# Altium PCB 11BRANMB10H_20170919.pcbdoc (part 6 of 7) (continued)
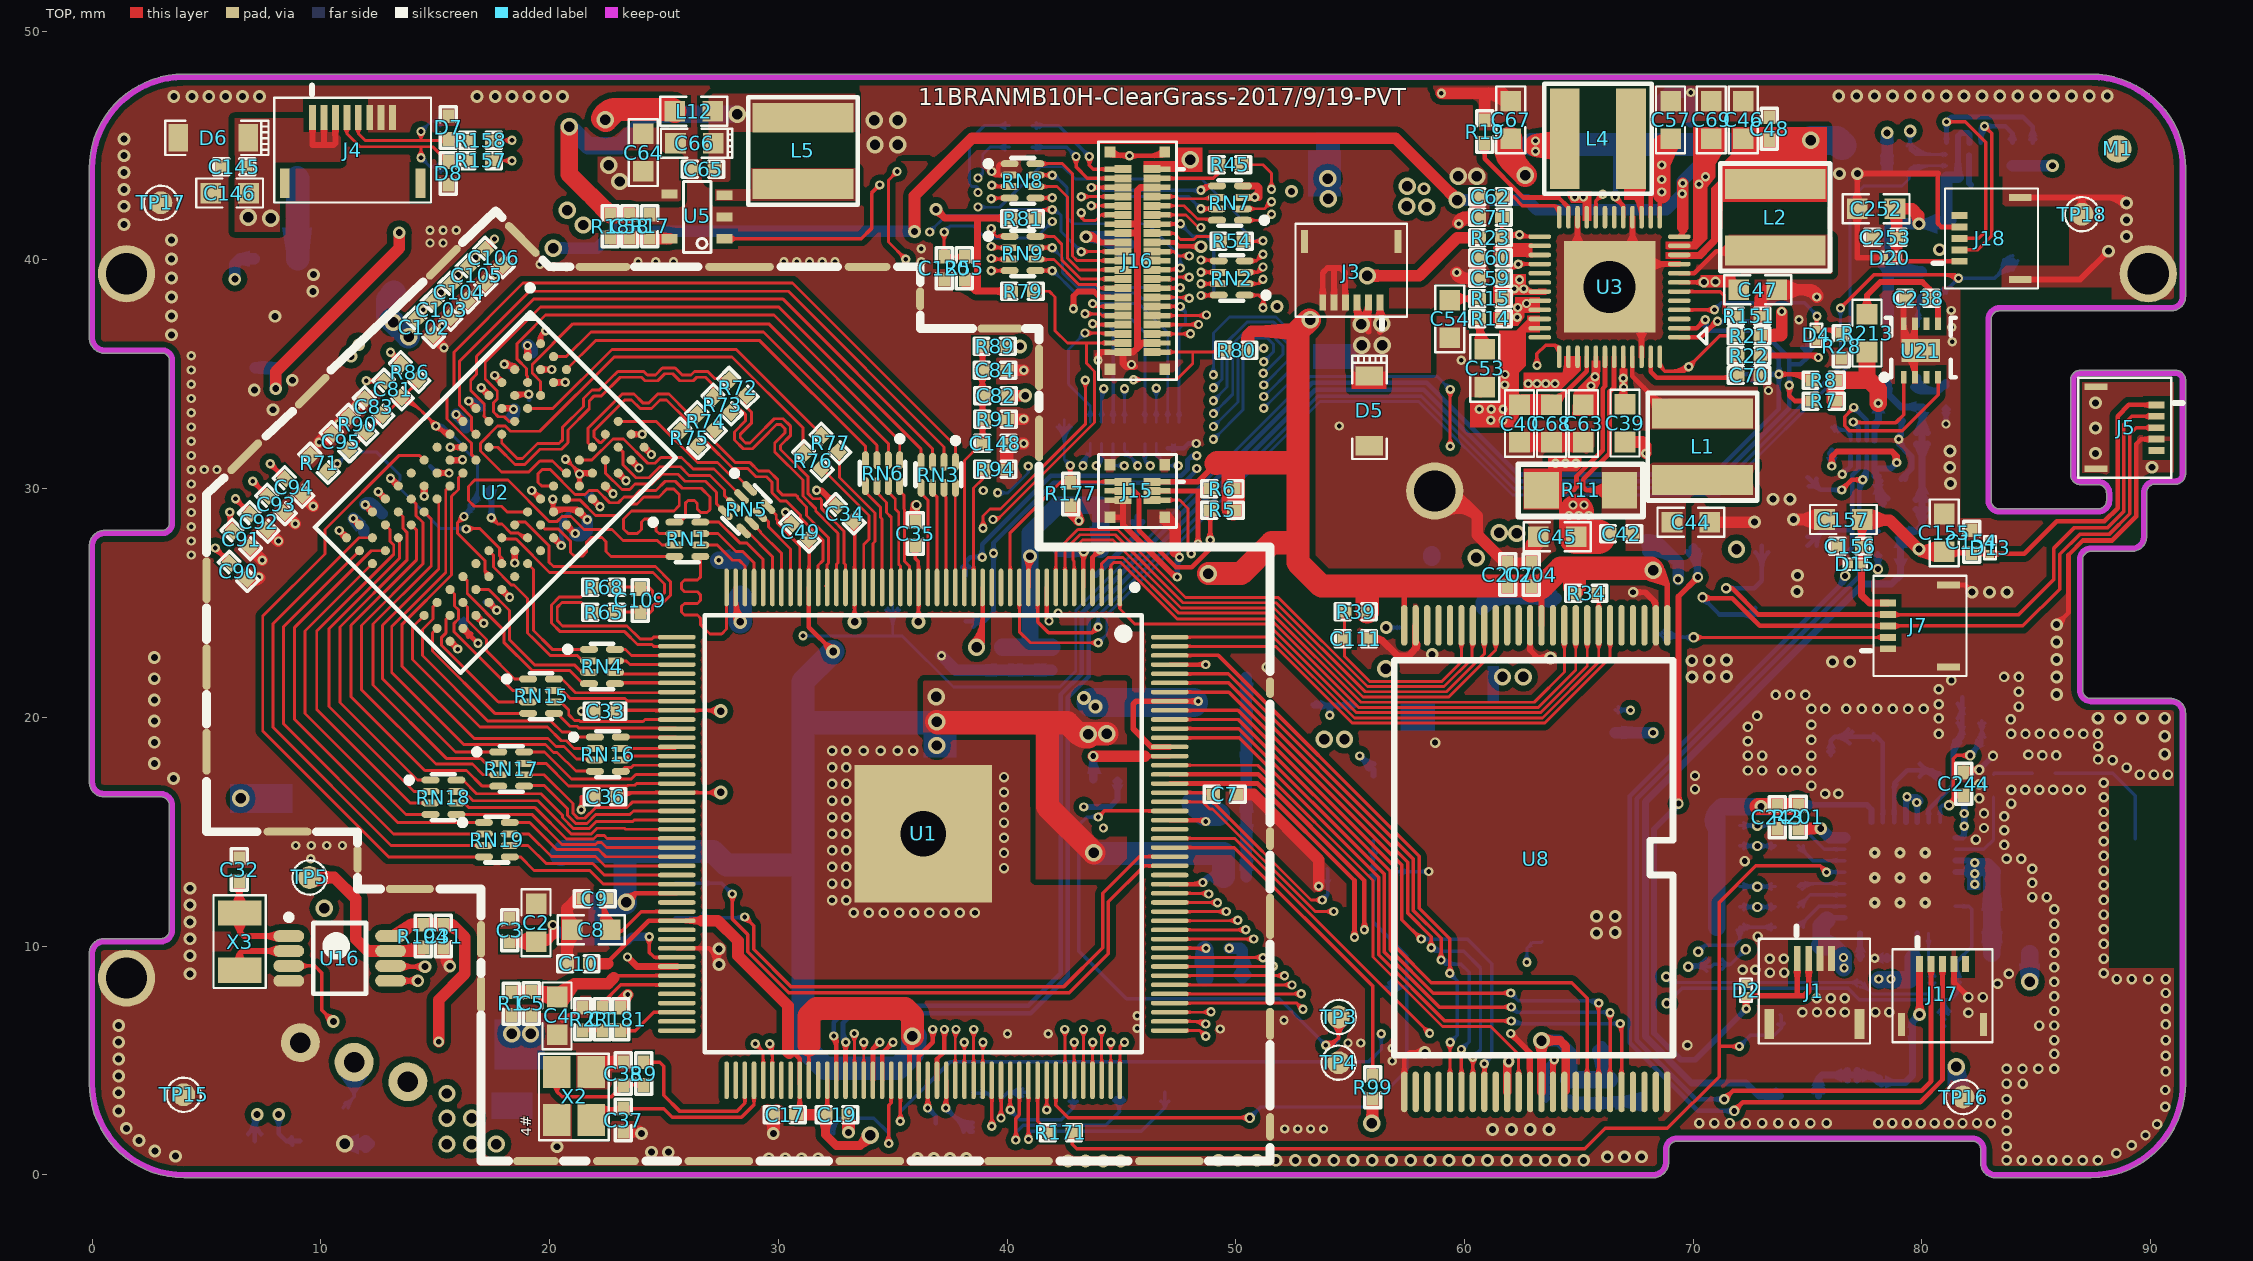
[diagram p0: TOP view]
## Nets (pads, with @x,y where several pads share a name; then routed paths per layer and width w, separated by ;. In a path a pad name is that pad's centre, name@x,y a point inside that pad or via, vN(x,y) a via of type N, cw(c..) or ccw(c..) an arc to the next point about the centre after c; other vN are vias at no path point) (continued)
  TOP w0.203: U1.161@47.11,17.508 50.984,17.508 55.624,12.868 v1(55.624,10.715) ; v1@55.552,10.786 ccw(c55.379,10.96) 55.624,10.96 ccw(c55.869,10.96) v1@55.696,10.786 ; v2(70.407,25.243) 70.445,25.205 71.712,25.205 72.917,24 J7.3@78.52,24 ; v2@70.497,25.333 ccw(c70.806,25.642) 70.806,25.205
  Singal w0.203: v1(55.624,10.715) 56.436,10.715 57.528,11.807 60.4,11.807 65.759,17.165 65.759,21.448 68.822,24.511 69.675,24.511 v2(70.407,25.243) 70.729,25.565 70.729,29.315 73.947,32.533 76.005,32.533 v1(77.025,33.553) 77.355,33.884 77.355,42.316 v1(81.076,46.037) ; v1@55.696,10.643 cw(c55.869,10.469) 55.869,10.715 cw(c55.869,10.96) v1@55.696,10.786 ; v2@70.28,25.243 cw(c69.973,25.243) 70.19,25.027 cw(c70.407,24.81) v2@70.407,25.116 ; v2@70.407,25.37 ccw(c70.407,25.677) 70.624,25.46 ccw(c70.841,25.243) v2@70.534,25.243 ; v1@76.923,33.553 cw(c76.678,33.553) 76.852,33.38 cw(c77.025,33.207) v1@77.025,33.452 ; v1@77.025,33.655 ccw(c77.025,33.9) 77.198,33.727 ccw(c77.372,33.553) v1@77.127,33.553 ; v1@80.974,46.037 cw(c80.729,46.037) 80.903,45.864 cw(c81.076,45.69) v1@81.076,45.936
  BOTTOM w0.203: v2@70.407,25.116 cw(c70.407,24.81) 70.624,25.027 cw(c70.841,25.243) v2@70.534,25.243 ; v2(70.407,25.243) 71.15,24.5 TP35.1@73,24.5 ; TP35.1@72.718,24.218 ccw(c72.038,23.538) 72.038,24.5 ccw(c72.038,25.462) TP35.1@72.718,24.782 ; v1@77.025,33.452 cw(c77.025,33.207) 77.198,33.38 cw(c77.372,33.553) v1@77.127,33.553 ; v1(77.025,33.553) 77.581,32.997 U20.7@77.581,32.11 ; v1@81.004,45.965 cw(c80.831,45.792) 81.076,45.792 cw(c81.321,45.792) v1@81.148,45.965 ; U10.1@81.076,45.119 v1(81.076,46.037) 81.292,46.253 84.417,46.253 84.849,45.822 R4.2@84.849,45.123 ; v1@81.076,46.139 ccw(c81.076,46.384) 81.249,46.211 ccw(c81.423,46.037) v1@81.178,46.037 ; R4.2@84.744,45.278 ccw(c84.49,45.532) 84.849,45.532 ccw(c85.207,45.532) R4.2@84.954,45.278
TWI2-SDA: J5.2 J7.4 J18.2 R3.2 TP36.1 U1.160 U10.4 U20.6 U21.1 | length 125.6
  TOP w0.152: v1(77,32.918) 77.025,32.893 78.866,32.893 79.202,33.23 U21.1@79.202,34.866 ; v1@77.089,32.829 cw(c77.245,32.673) 77.245,32.893 ; v1@77.089,33.008 ccw(c77.368,33.286) 77.368,32.893 ; J7.4@78.52,24.5 78.535,24.486 84.225,24.486 85.774,26.035 85.774,27.407 86.65,28.282 88.111,28.282 88.836,29.007 88.836,32.817 89.184,33.164 J5.2@90.263,33.164 ; J7.4@78.773,24.552 ccw(c78.934,24.713) 78.934,24.486 ; J18.2@81.648,40.442 82.442,40.442 83.054,41.054 83.054,45.533 v1(82.74,45.847) ; J18.2@81.9,40.39 cw(c82.026,40.264) 82.026,40.442 cw(c82.026,40.62) J18.2@81.9,40.494 ; v1@82.74,45.72 cw(c82.74,45.413) 82.957,45.63 cw(c83.174,45.847) v1@82.867,45.847 ; J5.2@90.01,33.112 ccw(c89.884,32.986) 89.884,33.164 ccw(c89.884,33.343) J5.2@90.01,33.217
  TOP w0.203: U1.160@47.11,17.108 50.953,17.108 55.192,12.869 v1(55.192,10.384) ; v1@55.121,10.456 ccw(c54.947,10.63) 55.192,10.63 ccw(c55.438,10.63) v1@55.264,10.456 ; v2(71.437,25.65) 71.699,25.65 ; v2@71.537,25.571 cw(c71.699,25.444) 71.699,25.65 ; v2@71.537,25.728 ccw(c71.699,25.856) 71.699,25.65 ; J7.4@78.52,24.5 72.848,24.5 71.699,25.65
  Singal w0.127: 60.529,11.45 66.089,17.01 66.089,17.533
  Singal w0.203: v1(55.192,10.384) 55.269,10.308 56.461,10.308 57.641,11.488 60.513,11.488 66.064,17.039 66.064,21.322 68.948,24.206 69.98,24.206 70.472,24.698 ; v1@55.264,10.456 ccw(c55.622,10.814) 55.622,10.308 ; 70.783,25.009 70.472,24.698 ; v2@71.348,25.56 ccw(c71.131,25.343) 71.131,25.65 ccw(c71.131,25.956) v2@71.348,25.739 ; v2(71.437,25.65) 71.034,25.65 ; v1@76.898,32.918 cw(c76.653,32.918) 76.826,32.745 cw(c77,32.572) v1@77,32.817 ; v1@77,33.02 ccw(c77,33.265) 77.173,33.092 ccw(c77.346,32.918) v1@77.101,32.918 ; v1@82.668,45.775 ccw(c82.495,45.602) 82.495,45.847 ccw(c82.495,46.092) v1@82.668,45.919 ; v1(82.74,45.847) 81.546,45.847 81.229,45.529 80.999,45.529 77.66,42.19 77.66,33.579 v1(77,32.918) 76.309,32.228 74.074,32.228 71.034,29.188 71.034,25.65 ; 70.472,24.698 70.472,24.685 71.034,25.246 71.034,25.65
  BOTTOM w0.203: v2(71.437,25.65) 72.677,25.65 73,25.972 TP36.1@73,27.5 ; v2@71.527,25.56 cw(c71.744,25.343) 71.744,25.65 cw(c71.744,25.956) v2@71.527,25.739 ; TP36.1@72.718,27.218 cw(c72.038,26.538) 73,26.538 cw(c73.962,26.538) TP36.1@73.282,27.218 ; v1@77,32.817 cw(c77,32.572) 77.173,32.745 cw(c77.346,32.918) v1@77.101,32.918 ; v1(77,32.918) 77.231,32.687 U20.6@77.231,32.11 ; U10.4@82.576,45.119 82.576,45.695 82.728,45.847 v1(82.74,45.847) 83.654,45.847 83.96,45.542 R3.2@83.96,45.123 ; U10.4@82.576,45.206 cw(c83.381,45.206) 82.812,45.775 cw(c82.985,45.602) 82.985,45.847 cw(c82.985,46.092) v1@82.812,45.919 ; 82.576,45.696 cw(c82.891,45.696) v1@82.668,45.919 ; R3.2@83.855,45.278 ccw(c83.601,45.532) 83.96,45.532 ccw(c84.318,45.532) R3.2@84.065,45.278
UART0_RX: TP55.1 U1.112 | length 43.6
  TOP w0.203: U1.112@36.935,4.133 36.935,5.064 37.26,5.389 v1(37.26,6.358) ; v1@37.188,6.286 cw(c37.015,6.113) 37.26,6.113 cw(c37.505,6.113) v1@37.332,6.286
  Singal w0.203: v3@7.976,2.641 ccw(c7.546,2.641) 7.85,2.945 ccw(c8.153,3.248) v3@8.153,2.819 ; v3(8.153,2.641) 7.518,3.276 7.518,6.406 8.334,7.221 15.134,7.221 18.169,4.187 35.558,4.187 37.26,5.889 v1(37.26,6.358) ; v1@37.188,6.286 cw(c37.015,6.113) 37.26,6.113 cw(c37.505,6.113) v1@37.332,6.286
  BOTTOM w0.203: v3@8.028,2.516 cw(c7.724,2.212) 8.153,2.212 cw(c8.583,2.212) v3@8.279,2.516 ; v3(8.153,2.641) 8.153,1.803 8.479,1.477 ; TP55.1@8.73,1.647 cw(c8.479,1.747) 8.479,1.477 ; TP55.1@8.747,1.315 ccw(c8.479,1.175) 8.479,1.477 ; TP55.1@9.1,1.477 8.479,1.477
UART0_TX: TP54.1 U1.110 | length 44.4
  TOP w0.203: U1.110@36.135,4.133 36.135,5.182 36.752,5.799 v1(36.752,6.358) ; v1@36.68,6.286 cw(c36.507,6.113) 36.752,6.113 cw(c36.997,6.113) v1@36.824,6.286
  Singal w0.203: v3@7.088,2.767 ccw(c6.784,3.071) 7.214,3.071 ccw(c7.643,3.071) v3@7.339,2.767 ; v3(7.214,2.641) 7.214,6.532 8.208,7.526 15.26,7.526 18.295,4.491 35.432,4.491 36.752,5.812 v1(36.752,6.358) ; v1@36.68,6.286 cw(c36.507,6.113) 36.752,6.113 cw(c36.997,6.113) v1@36.824,6.286
  BOTTOM w0.203: TP54.1@6.818,1.782 ccw(c6.138,2.462) 7.1,2.462 ccw(c8.062,2.462) TP54.1@7.382,1.782 ; 7.002,2.096 cw(c7.625,1.929) v3@7.302,2.487 ; v3@7.06,2.553 cw(c6.875,2.446) 7.081,2.391 ; TP54.1@7.1,1.477 TP54.1@7.1,1.5 7.1,2.528 v3(7.214,2.641) ; TP54.1@7.1,1.938 cw(c7.917,1.938) v3@7.339,2.516 ; 7.159,2.242 cw(c7.348,2.293) v3@7.278,2.475
UBOOT: TP3.1 TP57.1 U1.157 | length 32.9
  TOP w0.152: v1(43.991,15.642) 44.257,15.908 U1.157@47.11,15.908 ; v1@43.991,15.769 ccw(c43.991,16.076) 44.208,15.859 ccw(c44.425,15.642) v1@44.118,15.642 ; v1@53.934,5.639 ccw(c53.976,6.056) 54.273,5.76 ; v1@53.949,5.791 ccw(c54.019,6.468) 54.5,5.986 ; 54.169,5.655 54.5,5.986 ; TP3.1@54.226,6.576 cw(c53.727,5.987) 54.5,5.987 cw(c55.273,5.987) TP3.1@54.774,6.576 ; TP3.1@54.325,6.693 cw(c54.005,6.315) 54.5,6.315 cw(c54.995,6.315) TP3.1@54.675,6.693 ; TP3.1@54.5,6.9 54.5,5.986
  BOTTOM w0.152: v1@43.901,15.552 ccw(c43.684,15.335) 43.684,15.642 ccw(c43.684,15.949) v1@43.901,15.732 ; v1(43.991,15.642) 43.483,15.642 43.137,15.296 43.137,9.784 45.224,7.696 51.904,7.696 v1(53.936,5.664) 54.255,5.664 54.5,5.91 ; v1@53.809,5.664 ccw(c53.503,5.664) 53.72,5.881 ccw(c53.936,6.098) v1@53.936,5.791 ; v1@54.026,5.574 cw(c54.243,5.358) 54.243,5.664 cw(c54.243,5.971) v1@54.026,5.754 ; TP57.1@54.207,6.593 cw(c53.555,5.91) 54.5,5.91 ; TP57.1@54.313,6.704 cw(c53.895,6.266) 54.5,6.266 cw(c55.105,6.266) TP57.1@54.687,6.704 ; TP57.1@54.5,6.877 54.5,5.91 ; TP57.1@54.793,6.593 ccw(c55.445,5.91) 54.5,5.91
USB0-DM: R157.2 U1.93 | length 51.9
  TOP w0.127: R157.2@17.48,44.342 v1(18.351,44.342) ; R157.2@17.662,44.21 cw(c17.98,43.892) 17.98,44.342 cw(c17.98,44.792) R157.2@17.662,44.474 ; v1@18.253,44.243 ccw(c18.014,44.005) 18.014,44.342 ccw(c18.014,44.679) v1@18.253,44.441 ; v1@28.989,5.596 cw(c28.989,5.259) 29.227,5.498 cw(c29.466,5.736) v1@29.129,5.736 ; v1(28.989,5.736) 29.335,5.39 U1.93@29.335,4.133
  Singal w0.127: v1(18.351,44.342) 18.758,44.748 23.304,44.748 26.17,41.883 26.17,24.202 28.989,21.382 v1(28.989,5.736) ; v1@18.351,44.482 ccw(c18.351,44.819) 18.59,44.58 ccw(c18.828,44.342) v1@18.491,44.342 ; v1@28.89,5.835 ccw(c28.652,6.073) 28.989,6.073 ccw(c29.326,6.073) v1@29.088,5.835
USB0-DP: R158.2 U1.94 | length 52.7
  TOP w0.127: R158.2@17.48,45.231 v1(18.351,45.231) ; R158.2@17.662,45.099 cw(c17.98,44.781) 17.98,45.231 cw(c17.98,45.681) R158.2@17.662,45.363 ; v1@18.253,45.132 ccw(c18.014,44.894) 18.014,45.231 ccw(c18.014,45.568) v1@18.253,45.33 ; v1@29.525,5.637 cw(c29.018,5.13) 29.735,5.13 ; v1@29.615,5.727 cw(c29.325,5.437) 29.735,5.437 ; v1(29.624,5.736) 29.735,5.625 U1.94@29.735,4.133
  Singal w0.127: v1@18.351,45.091 cw(c18.351,44.754) 18.59,44.992 cw(c18.828,45.231) v1@18.491,45.231 ; v1(18.351,45.231) 18.605,44.977 23.431,44.977 26.398,42.01 26.398,24.296 29.218,21.477 29.218,6.142 v1(29.624,5.736) ; v1@29.484,5.736 ccw(c29.147,5.736) 29.386,5.974 ccw(c29.624,6.213) v1@29.624,5.876
USB0-IDET: R99.1 U1.153 | length 16
  TOP w0.152: U1.153@47.11,14.308 49.941,14.308 55.98,8.269 R99.1@55.98,4.331 ; R99.1@55.857,4.504 ccw(c55.56,4.801) 55.98,4.801 ccw(c56.399,4.801) R99.1@56.103,4.504
USBVBUS: C145.2 C146.2 D6.1 J4.1 J4.2 J4.3 R15.1 TP33.1 U3.31 | length 61.9
  TOP w0.203: R15.1@61.636,38.311 62.119,38.794 62.144,38.819 v1@62.179,38.819 ; R15.1@61.686,38.459 ccw(c61.686,38.697) R15.1@61.854,38.529 ; R15.1@61.802,38.477 cw(c62.179,38.1) v1@62.179,38.633 ; R15.1@61.834,38.311 cw(c62.313,38.311) 61.975,38.65 ; v1@62.273,38.695 cw(c62.46,38.616) v1@62.46,38.819 ; v1@62.509,38.668 ccw(c62.179,38.383) v1@62.179,38.819 ; v1@62.657,38.807 ccw(c63.11,39.26) U3.31@63.11,38.619 ; U3.31@63.293,38.619 62.632,38.619 62.551,38.7 62.46,38.791 v1@62.46,38.819 ; v1@62.179,38.819 v1@62.46,38.819
  TOP w0.254: J4.1@9.632,46.23 9.632,45.02 10.546,45.02 10.632,45.106 J4.3@10.632,46.23 ; 10.132,45.063 J4.2@10.132,46.23
  Singal w1.524: v4@7.048,41.954 7.81,41.954 8.648,41.954 9.969,43.275 20.085,43.275 20.978,42.382 v4@21.577,41.783
  POWER w1.524: v4@20.84,42.139 21.462,41.516 21.736,41.243 34.296,41.243 38.671,45.618 52.819,45.618 54.038,44.399 54.038,43.561 v4(54.038,42.672)
  other v1: 62.179,38.735 62.586,38.735 62.408,39.141
  other v4: 21.475,41.529 7.81,41.829 6.831,41.867 20.774,42.178 54.025,43.561
VCC-5V: C158.2 C159.1 C226.1 C228.1 D14.1 J6.1 R189.2 TP34.1 U15.5 | length 44.3
  POWER w1.016: v4(18.351,6.172) 18.376,6.147 v4@19.164,6.147 ; v4(19.164,6.172) 19.811,6.82 26.746,6.82 30.34,10.414 40.885,10.414 42.543,12.072 42.543,16.423 43.591,17.471 45.631,17.471 47.159,18.999 53.864,18.999 54.753,18.999 v4@54.779,18.999
  other v4: 53.864,19.05 54.753,19.05
VCC-WIFI-3V3: C174.1 C175.1 C176.1 C243.2 C246.1 C247.1 C250.1 R176.2 R179.1 R200.1 R201.1 R204.2 R205.2 R206.2 R207.2 R208.2 U7.1 U7.3 U7.4 U7.11 U7.17 U7.29 U7.30 | length 38.1
  TOP w0.762: v3@72.847,16.103 72.96,16.103 73.67,16.103 74.544,16.103 R201.1@74.587,16.146 R201.1@74.553,16.18
  BOTTOM w0.254: 75.831,11.125 75.943,11.237 U7.17@76.618,11.237 ; U7.29@79.293,15.412 79.311,15.431 79.311,16.529 v1@79.348,16.529 ; 79.311,16.259 cw(c79.62,16.259) v1@79.402,16.477 ; v1@79.37,16.458 cw(c79.493,16.052) v1@79.793,16.352 ; C246.1@79.446,9.433 79.405,9.474 79.508,9.578 79.793,9.863 ; 79.682,16.529 cw(c79.682,16.25) v1@79.951,16.325 ; v1@79.704,16.284 ccw(c79.401,16.314) 79.616,16.529 ; v1@79.706,16.257 ccw(c79.348,16.157) v1@79.348,16.529 ; v1@79.726,16.223 cw(c79.563,16.061) 79.793,16.061 ; C246.1@79.763,9.544 cw(c79.97,9.685) 79.793,9.863 ; U7.11@79.793,10.562 79.793,9.863 ; U7.30@79.793,15.412 79.793,16.277 v1@79.793,16.352 ; U7.4@81.468,13.237 82.083,13.237 ; U7.3@81.468,13.737 82.033,13.737 ; U7.1@81.468,14.737 81.729,14.737 81.855,14.863 81.851,14.867 ; U7.1@81.743,14.735 ccw(c81.716,14.867) 81.851,14.867 ; U7.1@81.744,14.736 ccw(c81.487,14.993) 81.851,14.993 ; C175.1@81.764,16.483 cw(c81.554,16.273) 81.851,16.273 cw(c82.148,16.273) C175.1@81.938,16.483 ; C175.1@81.851,16.62 81.851,15.799 81.851,15.24 81.851,14.867 ; 81.893,13.737 cw(c81.893,13.22) v1@82.259,13.586 ; 81.965,13.237 cw(c81.965,12.823) v1@82.259,13.116 ; v1@82.239,13.618 cw(c81.951,13.531) 82.164,13.318 ; v1@82.244,13.137 ccw(c82.083,13.059) 82.083,13.237 ; v1@82.244,13.606 ccw(c82.033,13.502) 82.033,13.737 ; v1@82.25,13.214 ccw(c82.037,13.364) v1@82.222,13.549 ; v1@82.274,13.706 cw(c82.174,13.878) 82.033,13.737 ; 82.435,13.336 cw(c82.287,13.188) v1@82.458,13.067 ; v1@79.348,16.529 79.616,16.529 ; 79.616,16.529 v1@79.793,16.352 ; 82.033,13.737 v1@82.221,13.549 ; 82.083,13.237 82.164,13.318 ; 82.164,13.318 82.308,13.462 v1@82.221,13.549
  BOTTOM w0.762: R205.2@70.958,15.258 cw(c71.964,15.376) 71.248,16.092 ; R205.2@70.982,15.197 cw(c71.415,15.507) 71.038,15.883 ; R208.2@71.038,10.828 R207.2@71.038,11.717 R179.1@71.039,12.606 R206.2@71.038,14.384 R205.2@71.038,15.273 71.038,15.883 ; R204.2@73.72,16.159 73.653,16.092 72.96,16.092 71.248,16.092 ; C250.1@75.529,10.033 cw(c75.799,9.633) 76.14,9.974 ; C250.1@75.603,10.055 cw(c75.603,8.953) 76.382,9.732 ; 75.831,11.125 75.603,10.897 C250.1@75.603,9.974 76.14,9.974 ; v1@76.572,9.042 v1(76.572,9.499) 76.572,9.543 76.14,9.974 ; v1@78.143,8.534 78.651,8.534 R200.1@79.446,8.534 79.612,8.7 C246.1@79.612,9.474 ; v1@82.187,13.295 cw(c82.589,12.893) 82.589,13.462 ; v1@82.308,13.462 82.312,13.462 82.842,13.462 83.057,13.246 83.057,13.132 83.057,12.243 C174.1@83.057,11.1 R176.2@83.057,9.677 ; 82.496,13.462 cw(c82.496,12.651) C176.1@83.07,13.224 ; 71.038,15.883 71.248,16.092
  other v1: 78.117,8.56 78.651,8.56 76.597,9.042 82.312,12.7 82.312,13.17 82.312,13.64 81.855,15.24 81.855,15.799 79.78,16.277 79.348,16.531
  other v3: 72.96,16.111
VCCA: C242.1 R195.1 R209.2 U20.1 | length 11
  TOP w0.254: v1(76.06,30.988) 76.06,31.394 76.288,31.623 78.701,31.623 ; v1@78.831,31.159 ccw(c78.355,31.276) 78.701,31.623 ; v1(78.905,31.14) 78.905,31.42 78.701,31.623
  BOTTOM w0.254: R209.2@75.973,31.545 cw(c75.763,31.335) 76.06,31.335 cw(c76.357,31.335) R209.2@76.147,31.545 ; v1(76.06,30.988) R209.2@76.06,31.682 ; U20.1@77.931,31.44 77.931,30.886 ; 78.079,29.903 ccw(c78.747,29.903) R195.1@78.349,29.367 ; 78.079,30.082 cw(c78.447,30.082) C242.1@78.187,30.342 ; C242.1@78.119,30.531 cw(c78.361,30.886) 77.931,30.886 ; R195.1@78.308,29.312 78.079,29.54 C242.1@78.079,30.408 ; R195.1@78.5,29.571 cw(c79.122,30.408) C242.1@78.079,30.408 ; v1(78.905,31.14) 78.651,30.886 77.931,30.886 ; 77.931,30.886 77.931,30.557 C242.1@78.079,30.408
VINT: C60.1 U3.26 U3.27 | length 3.9
  TOP w0.152: C60.1@61.636,40.089 61.766,40.219 62.279,40.219 ; C60.1@61.703,40.076 cw(c61.982,39.876) 61.982,40.219 ; C60.1@61.827,39.987 cw(c62.279,39.662) 62.279,40.219 ; U3.27@63.293,40.219 62.279,40.219 ; U3.26@63.293,40.619 62.428,40.619 62.279,40.47 62.279,40.219
VLED+: C116.2 D12.1 J16.18 TP25.1 | length 40.6
  TOP w0.254: v3@43.405,41.107 cw(c43.553,40.775) 43.81,41.032 ; v3(43.447,41.014) 43.828,41.014 44.072,40.77 ; v3@43.508,40.875 cw(c43.714,40.412) 44.072,40.77 ; v3@43.554,40.907 cw(c43.815,40.646) 43.815,41.014 cw(c43.815,41.382) v3@43.554,41.122 ; J16.18@45.065,40.77 J16.18@44.475,40.77 44.072,40.77
  Singal w0.508: v3(51.803,37.966) 51.829,37.941 51.829,36.121 52.959,34.99 52.959,24.663 55.499,22.123 v4(56.553,22.123)
  POWER w0.508: v3(43.447,41.014) 44.005,41.014 44.742,40.278 44.742,37.23 45.885,36.087 48.349,36.087 48.958,36.696 51.321,36.696 51.803,37.179 v3(51.803,37.966)
  BOTTOM w0.508: 44.603,41.014 cw(c44.603,40.012) TP25.1@45.341,40.69 ; TP25.1@44.902,40.513 ccw(c44.308,40.513) 44.728,40.933 ccw(c45.148,41.353) TP25.1@45.148,40.759 ; TP25.1@44.967,40.347 ccw(c43.447,38.95) v3(43.447,41.014) 44.647,41.014 TP25.1@45.148,40.513
VLED-: J16.17 R50.2 TP27.1 U9.1 | length 37.5
  TOP w0.203: J16.17@46.335,40.77 J16.17@46.925,40.77 47.33,40.77 47.505,40.595 48.463,40.595 v3(48.476,40.583) ; 48.016,40.595 cw(c48.016,40.123) v3@48.35,40.457 ; 48.077,40.595 ccw(c48.077,40.981) v3@48.35,40.708
  Singal w0.508: v3(52.438,43.002) 52.438,36.373 55.512,33.299 59.372,33.299 60.515,32.156 v4(60.515,26.975) v4@60.515,26.924
  POWER w0.508: v3(48.476,40.583) 49.136,41.243 49.136,42.672 50.221,43.758 51.822,43.758 52.438,43.142 v3(52.438,43.002) ; 52.295,43.285 cw(c52.013,43.002) v3@52.412,43.002
  BOTTOM w0.508: 60.769,25.121 60.848,25.2 ; R50.2@60.791,24.703 cw(c61.133,24.915) 60.848,25.2 ; R50.2@60.792,24.708 cw(c61.979,23.521) 61.979,25.2 ; TP27.1@63.826,25.026 ccw(c63.406,24.606) 63.406,25.2 ccw(c63.406,25.794) TP27.1@63.826,25.374 ; TP27.1@64,25.2 60.848,25.2
VOC_1V8: C236.1 R195.2 R196.1 R197.1 R198.2 TP46.1 U19.5 | length 50.5
  BOTTOM w0.305: R198.2@73.615,3.244 ccw(c73.107,2.736) 73.107,3.454 ccw(c73.107,4.173) R198.2@73.615,3.665 ; R198.2@73.825,3.454 72.873,3.454 72.314,4.013 69.933,4.013 67.906,6.04 67.906,16.312 77.426,25.832 78.676,25.832 79.074,26.23 R197.1@79.074,27.178 R196.1@79.074,28.118 ; U19.5@78.534,34.857 78.534,34.127 79.082,33.579 C236.1@80.056,33.579 80.001,33.524 80.009,33.515 80.009,32.2 80.009,29.312 80.009,28.384 79.768,28.143 R196.1@79.1,28.143 ; R196.1@78.981,28.074 cw(c78.755,27.848) 79.074,27.848 ; R195.2@79.748,29.522 ccw(c79.118,30.153) 80.009,30.153 ; TP46.1@79.754,31.954 cw(c79.138,31.338) 80.009,31.338 ; TP46.1@79.754,32.446 ccw(c79.138,33.062) 80.009,33.062 ; 80.009,29.907 ccw(c80.555,29.907) R195.2@80.169,29.522 ; 80.009,31.384 cw(c80.816,31.384) TP46.1@80.246,31.954 ; 80.009,33.016 ccw(c80.816,33.016) TP46.1@80.246,32.446 ; R195.2@79.748,29.101 cw(c79.118,28.47) 80.009,28.47 ccw(c79.118,28.47) R195.2@79.748,29.101 ; 80.009,28.716 cw(c80.555,28.716) 80.169,29.101 ccw(c80.555,28.716) 80.009,28.716
VOC_SCL: J17.2 R196.2 TP47.1 U20.2 | length 58.3
  TOP w0.203: v2(71.361,3.302) 71.742,3.683 79.997,3.683 80.4,4.086 J17.2@80.4,9.225 ; v2@71.361,3.429 ccw(c71.361,3.736) 71.578,3.519 ccw(c71.794,3.302) v2@71.488,3.302 ; v1(76.496,29.946) 76.939,30.39 v1(77.417,30.39) ; v1@76.496,30.048 ccw(c76.496,30.293) 76.669,30.12 ccw(c76.843,29.946) v1@76.597,29.946 ; v1@77.345,30.318 ccw(c77.172,30.144) 77.172,30.39 ccw(c77.172,30.635) v1@77.345,30.462
  BOTTOM w0.203: v2@71.271,3.212 ccw(c71.054,2.995) 71.054,3.302 ccw(c71.054,3.609) v2@71.271,3.392 ; v2(71.361,3.302) 70.116,3.302 67.525,5.893 67.525,16.434 77.254,26.162 77.254,30.226 v1(77.417,30.39) 77.581,30.553 U20.2@77.581,31.44 ; TP47.1@75,30.5 75.554,29.946 ; TP47.1@75.062,30.106 cw(c75.151,29.543) 75.554,29.946 ; TP47.1@75.394,30.438 ccw(c75.957,30.349) 75.554,29.946 ; v1@76.424,29.875 ccw(c76.251,29.701) 76.251,29.946 ccw(c76.251,30.192) v1@76.424,30.018 ; v1(76.496,29.946) 75.554,29.946 ; 77.254,29.749 cw(c78.058,29.749) 77.489,30.318 ccw(c77.267,30.54) 77.581,30.54 ; 77.254,30.24 cw(c77.567,30.24) 77.345,30.462 ccw(c76.777,31.03) 77.581,31.03 ; 77.279,28.143 R196.2@78.1,28.143 ; R196.2@77.945,28.038 ccw(c77.692,27.785) 77.692,28.143 ccw(c77.692,28.501) R196.2@77.945,28.248
VOC_SDA: J17.3 R197.2 TP48.1 U20.3 | length 60.5
  TOP w0.203: v2(71.793,2.794) 72.174,3.175 79.92,3.175 80.9,4.155 J17.3@80.9,9.225 ; v2@71.793,2.921 ccw(c71.793,3.228) 72.009,3.011 ccw(c72.226,2.794) v2@71.92,2.794
  Singal w0.203: v2(76.644,26.187) 77.778,26.187 v2(78.074,26.484) ; v2@76.734,26.098 cw(c76.951,25.881) 76.951,26.187 cw(c76.951,26.494) v2@76.734,26.277 ; v2@77.947,26.484 cw(c77.641,26.484) 77.858,26.267 cw(c78.074,26.051) v2@78.074,26.357
  BOTTOM w0.203: v2@71.703,2.704 ccw(c71.486,2.487) 71.486,2.794 ccw(c71.486,3.101) v2@71.703,2.884 ; v2@71.767,2.794 70.193,2.794 67.221,5.767 67.221,16.56 76.631,25.971 76.631,26.187 76.631,26.226 v2@76.644,26.238 ; TP48.1@75,27.5 75.694,28.194 76.949,28.194 ; TP48.1@75,27.898 ccw(c75,28.86) 75.68,28.18 ccw(c76.36,27.5) TP48.1@75.398,27.5 ; 76.283,25.622 ccw(c75.718,26.187) v2@76.517,26.187 ; v2@76.554,26.277 ccw(c76.337,26.494) 76.644,26.494 ccw(c76.951,26.494) v2@76.734,26.277 ; v2(76.644,26.187) v2@76.644,26.238 ; U20.3@77.231,31.44 77.231,30.864 76.949,30.582 76.949,28.194 ; R197.2@77.969,27.073 cw(c77.716,26.82) 78.074,26.82 cw(c78.433,26.82) R197.2@78.179,27.073 ; v2@77.985,26.574 ccw(c77.768,26.791) 78.074,26.791 ccw(c78.381,26.791) v2@78.164,26.574 ; v2(78.074,26.484) R197.2@78.074,27.178 ; v2@76.644,26.238 76.644,27.127 76.949,27.432 76.949,28.194
VPS: R32.2 R35.1 U8.38 | length 5.1
  TOP w0.254: U8.38@63.867,3.624 63.867,4.974 v1(63.93,5.037) ; 63.867,4.701 cw(c64.266,4.701) v1@63.984,4.983
  BOTTOM w0.254: R35.1@63.47,3.346 ccw(c63.26,3.556) 63.557,3.556 ccw(c63.854,3.556) R35.1@63.644,3.346 ; R32.2@63.47,4.061 cw(c63.26,3.851) 63.557,3.851 cw(c63.854,3.851) R32.2@63.644,4.061 ; R32.2@63.47,4.235 ccw(c63.26,4.445) 63.557,4.445 ccw(c63.854,4.445) R32.2@63.644,4.235 ; R35.1@63.557,3.259 R32.2@63.557,4.148 63.557,4.664 v1(63.93,5.037)
VRA1: C1.2 U1.83 | length 4.7
  TOP w0.152: C1.2@22.233,7.252 22.233,7.307 22.233,7.424 23.116,8.308 U1.83@25.56,8.308 ; C1.2@22.314,7.357 cw(c22.671,7.357) 22.418,7.61 ; C1.2@22.466,7.357 cw(c23.191,7.357) 22.678,7.87
VRA2: C4.2 C5.2 R1.2 U1.82 | length 9.7
  TOP w0.152: 22.809,8.611 22.906,8.708 U1.82@25.56,8.708
  TOP w0.508: R1.2@18.314,7.986 19.193,7.986 20.324,7.986 C4.2@20.712,7.986 ; C5.2@19.343,7.986 cw(c19.343,6.795) C4.2@20.185,7.637 ; C4.2@20.324,7.776 20.501,7.776 C4.2@20.712,7.986 ; C4.2@20.324,7.972 ccw(c20.324,8.873) 20.961,8.236 ; 22.809,8.611 22.554,8.356 21.082,8.356 C4.2@20.712,7.986
VRP: C2.2 C3.2 U1.80 | length 11.7
  TOP w0.152: v1@24.267,10.315 cw(c24.075,10.123) 24.346,10.123 ; 24.346,10.073 cw(c24.689,10.073) v1@24.447,10.315 ; v1(24.357,10.405) 24.346,10.394 24.346,9.736 24.575,9.508 U1.80@25.56,9.508
  TOP w0.381: C3.2@18.263,10.193 19.406,10.193 19.871,10.193 ; 18.768,10.193 ccw(c18.768,10.836) C2.2@19.222,10.381 ; 18.79,10.193 cw(c18.79,9.583) C2.2@19.222,10.014 ; C2.2@19.553,10.411 ccw(c19.816,10.791) 20.142,10.465 ; C2.2@19.624,10.058 cw(c19.871,9.901) 19.871,10.193 ; C2.2@19.628,10.331 ccw(c19.871,10.475) 19.871,10.193 ; v2(20.142,10.922) 20.142,10.465 ; 19.871,10.193 20.142,10.465
  BOTTOM w0.381: v2(20.142,10.922) 20.839,10.225 23.405,10.225 23.585,10.405 v1(24.357,10.405)
WE: RN17.1 U2.L3 | length 15.3
  TOP w0.127: U2.L3@15.079,29.551 15.152,29.478 15.152,26.49 12.688,24.026 12.688,21.689 15.885,18.492 RN17.1@17.752,18.492
WI-FI_EN: R180.1 TP44.1 TP87.1 U1.107 U7.7 | length 71.8
  TOP w0.152: v1@34.732,1.457 ccw(c34.515,1.674) 34.822,1.674 ccw(c35.128,1.674) v1@34.911,1.457 ; v1(34.822,1.367) 34.822,3.032 34.935,3.145 U1.107@34.935,4.133
  Singal w0.152: v1(34.822,1.367) 37.054,1.367 39.568,3.882 45.843,3.882 46.414,4.453 67.94,4.453 68.846,5.359 v2(68.846,7.493) ; v1@34.911,1.278 cw(c35.128,1.061) 35.128,1.367 cw(c35.128,1.674) v1@34.911,1.457 ; v2@68.738,7.385 cw(c68.478,7.125) 68.846,7.125 cw(c69.214,7.125) v2@68.954,7.385
  BOTTOM w0.152: TP87.1@32,1.777 32.7,2.478 ; TP87.1@32.006,2.049 ccw(c32.02,2.654) 32.448,2.226 ccw(c32.877,1.798) TP87.1@32.271,1.784 ; TP87.1@32.01,2.201 ccw(c32.032,3.146) 32.7,2.478 ; TP87.1@32.424,1.787 cw(c33.369,1.809) 32.7,2.478 ; v1@34.732,1.457 ccw(c34.515,1.674) 34.822,1.674 ccw(c35.128,1.674) v1@34.911,1.457 ; v1@34.822,1.314 v1(34.822,1.367) 34.822,1.83 34.174,2.478 32.7,2.478 ; v2(68.846,7.493) 69.519,8.166 76.758,8.166 77.266,7.658 80.962,7.658 ; v2@68.846,7.645 ccw(c68.846,8.013) 69.106,7.753 ccw(c69.367,7.493) v2@68.999,7.493 ; TP44.1@80.719,7.117 ccw(c80.239,7.658) 80.962,7.658 ; TP44.1@80.82,7.003 ccw(c80.539,7.319) 80.962,7.319 ; 80.962,7.375 ccw(c81.379,7.375) TP44.1@81.149,7.027 ; TP44.1@80.987,6.513 TP44.1@81,6.5 ; TP44.1@81,6.8 80.962,6.838 80.962,7.658 ; TP44.1@81.233,7.154 cw(c81.566,7.658) 80.962,7.658 ; R180.1@81.431,8.412 cw(c81.135,8.115) 81.554,8.115 cw(c81.974,8.115) R180.1@81.677,8.412 ; R180.1@81.431,8.657 ccw(c81.135,8.954) 81.554,8.954 ccw(c81.974,8.954) R180.1@81.677,8.657 ; U7.7@81.468,11.737 82.052,11.737 82.181,11.608 82.181,9.974 81.554,9.347 R180.1@81.554,8.534 81.554,7.958 81.254,7.658 80.962,7.658
WIFI_3V3: C63.2 C69.2 R176.1 TP51.1 U3.11 U3.41 | length 75.6
  TOP w0.203: C63.2@65.2,33.676 65.2,33.993 v1@65.616,34.409 ; C63.2@65.24,34.033 ccw(c64.78,34.493) v1@65.43,34.493 ; C63.2@65.331,33.738 cw(c65.703,33.914) 65.412,34.205 ; v1@65.476,34.409 cw(c65.404,34.301) 65.516,34.236 ; v1@65.508,34.592 ccw(c65.433,34.899) v1@65.749,34.899 ; C63.2@65.515,33.825 cw(c65.98,34.045) v1@65.616,34.409 ; v1@65.556,34.394 ccw(c65.496,34.641) 65.749,34.641 ; v1@65.638,34.828 cw(c65.369,34.559) 65.749,34.559 ; v1@65.638,34.971 ccw(c65.369,35.24) 65.749,35.24 ; U3.41@65.743,35.769 65.749,35.763 v1@65.749,34.899 ; v1@65.616,34.409 65.749,34.542 v1@65.749,34.899
  POWER w0.762: v1(65.71,34.899) 65.71,34.493 65.71,34.264 67.386,32.588 72.732,32.588 ; v1@70.236,43.48 70.256,43.48 70.536,43.48 71.772,43.48 72.605,42.647 72.605,32.715 72.732,32.588 ; v4@81.509,4.699 81.509,4.724 81.509,6.219 ; v4(84.721,8.433) 82.507,6.219 81.509,6.219 ; 72.732,32.588 73.164,32.588 75.806,29.947 75.806,24.409 71.081,19.685 71.081,7.514 72.377,6.219 81.509,6.219
  BOTTOM w0.762: v4@81.495,4.423 ccw(c82.822,4.423) TP51.1@81.884,3.484 ; v4(81.495,4.724) 81.495,3.682 81.789,3.389 TP51.1@81.8,3.377 ; R176.1@84.708,9.677 84.721,9.665 v4(84.721,8.433)
  other v1: 65.532,34.493 70.256,43.307 70.536,43.637